# Altium PCB Waffling60-MX.PcbDoc (part 3 of 3)
Units mm, origin at the board's own origin, x right, y up, seen from the top; angles counter-clockwise.
Board outline 324.66 x 94.3 mm, 2 copper layers (Component Side, Bottom Layer), stack 1.571 mm thick; 187 components, 122 nets, 934 pads, 124 vias.
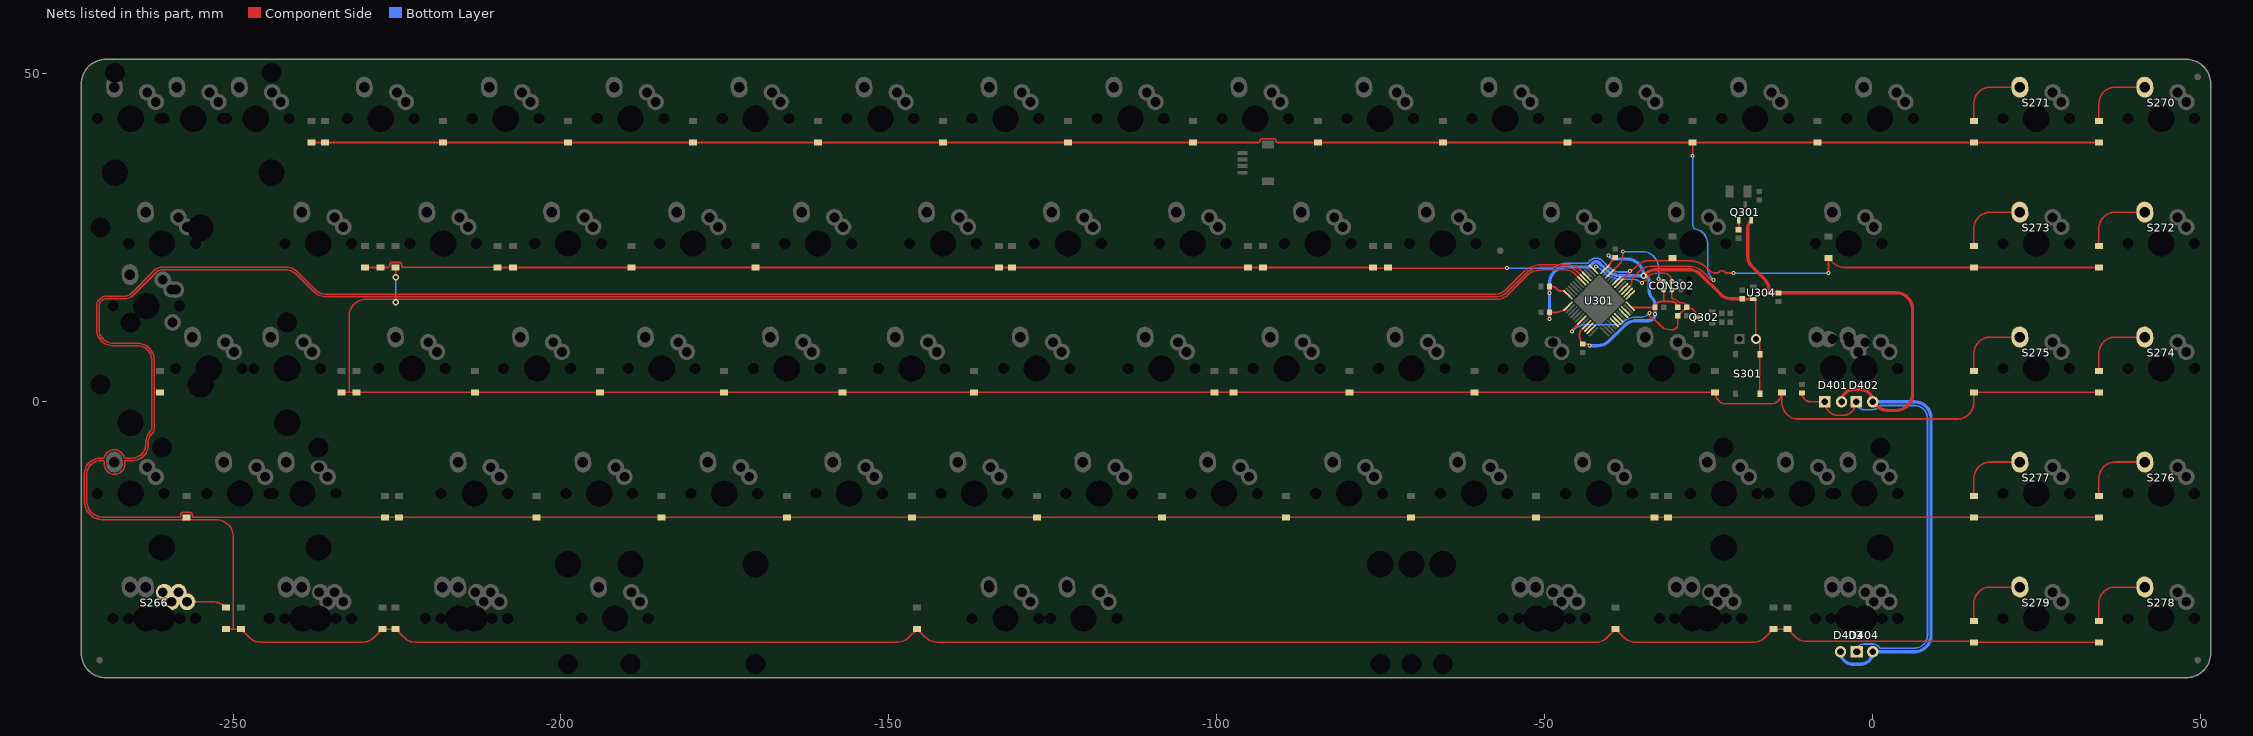
[diagram p3: the nets of this part, all layers, seen from the top]

## Via types
v1: diameter 0.6, hole 0.3, Component Side to Bottom Layer, tented both sides, 85 vias
v2: diameter 0.6, hole 0.3, Component Side to Bottom Layer, tented bottom, 25 vias
v3: diameter 1, hole 0.5, Component Side to Bottom Layer, tented both sides, 14 vias

## Nets (pads, with @x,y where several pads share a name; then routed paths per layer and width w, separated by ;. In a path a pad name is that pad's centre, name@x,y a point inside that pad or via, vN(x,y) a via of type N, cw(c..) or ccw(c..) an arc to the next point about the centre after c; other vN are vias at no path point) (continued)
NetD266_1: D266.1 S266.1 | length 8.2
  Component Side w0.254: S266.1@-257.016,-30.48 -253.062,-30.48 ; D266.1@-251.105,-31.385 D266.1@-251.266,-31.224 ; -253.062,-30.48 cw(c-253.062,-33.02) D266.1@-251.266,-31.224 ; -253.062,-30.48 cw(c-253.062,-33.02) D266.1@-251.266,-31.224
NetD270_1: D270.1 S270.1 | length 15.1
  Component Side w0.254: D270.1@34.455,42.815 34.455,45.43 ; S270.1@41.474,47.97 36.995,47.97 ; 34.455,45.43 cw(c36.995,45.43) 36.995,47.97 ; 34.455,45.43 cw(c36.995,45.43) 36.995,47.97
NetD271_1: D271.1 S271.1 | length 15.1
  Component Side w0.254: D271.1@15.405,42.815 15.405,45.43 ; S271.1@22.424,47.97 17.945,47.97 ; 15.405,45.43 cw(c17.945,45.43) 17.945,47.97 ; 15.405,45.43 cw(c17.945,45.43) 17.945,47.97
NetD272_1: D272.1 S272.1 | length 15.1
  Component Side w0.254: D272.1@34.455,23.765 34.455,26.38 ; S272.1@41.474,28.92 36.995,28.92 ; 34.455,26.38 cw(c36.995,26.38) 36.995,28.92 ; 34.455,26.38 cw(c36.995,26.38) 36.995,28.92
NetD273_1: D273.1 S273.1 | length 15.1
  Component Side w0.254: D273.1@15.405,23.765 15.405,26.38 ; S273.1@22.424,28.92 17.945,28.92 ; 15.405,26.38 cw(c17.945,26.38) 17.945,28.92 ; 15.405,26.38 cw(c17.945,26.38) 17.945,28.92
NetD274_1: D274.1 S274.1 | length 15.1
  Component Side w0.254: D274.1@34.455,4.715 34.455,7.33 ; S274.1@41.474,9.87 36.995,9.87 ; 34.455,7.33 cw(c36.995,7.33) 36.995,9.87 ; 34.455,7.33 cw(c36.995,7.33) 36.995,9.87
NetD275_1: D275.1 S275.1 | length 15.1
  Component Side w0.254: D275.1@15.405,4.715 15.405,7.33 ; S275.1@22.424,9.87 17.945,9.87 ; 15.405,7.33 cw(c17.945,7.33) 17.945,9.87 ; 15.405,7.33 cw(c17.945,7.33) 17.945,9.87
NetD276_1: D276.1 S276.1 | length 15.1
  Component Side w0.254: D276.1@34.455,-14.335 34.455,-11.72 ; S276.1@41.474,-9.18 36.995,-9.18 ; 34.455,-11.72 cw(c36.995,-11.72) 36.995,-9.18 ; 34.455,-11.72 cw(c36.995,-11.72) 36.995,-9.18
NetD277_1: D277.1 S277.1 | length 15.1
  Component Side w0.254: D277.1@15.405,-14.335 15.405,-11.72 ; S277.1@22.424,-9.18 17.945,-9.18 ; 15.405,-11.72 cw(c17.945,-11.72) 17.945,-9.18 ; 15.405,-11.72 cw(c17.945,-11.72) 17.945,-9.18
NetD278_1: D278.1 S278.1 | length 15.1
  Component Side w0.203: D278.1@34.455,-33.385 34.455,-30.77 ; S278.1@41.474,-28.23 36.995,-28.23 ; 34.455,-30.77 cw(c36.995,-30.77) 36.995,-28.23 ; 34.455,-30.77 cw(c36.995,-30.77) 36.995,-28.23
NetD279_1: D279.1 S279.1 | length 15.1
  Component Side w0.203: D279.1@15.405,-33.385 15.405,-30.77 ; S279.1@22.424,-28.23 17.945,-28.23 ; 15.405,-30.77 cw(c17.945,-30.77) 17.945,-28.23 ; 15.405,-30.77 cw(c17.945,-30.77) 17.945,-28.23
NetD401_2: D401.2 D402.2 D403.2 D404.2 R306.2 | length 71.1
  Component Side w0.254: R306.2@-10.795,1.356 ccw(c-9.439,1.356) -9.439,0 D401.2@-7.302,0 ccw(c-5.239,0) -5.239,-2.064 -4.604,-2.064 ccw(c-4.604,0) D402.2@-2.54,0
  Bottom Layer w0.254: D402.2@-2.54,0 ccw(c-1.358,0) -1.358,-1.182 0,-1.182 ccw(c0,0) 0.976,-0.667 cw(c1.185,-0.811) 1.185,-0.557 6.35,-0.557 cw(c6.35,-2.54) 8.333,-2.54 8.333,-35.56 cw(c6.35,-35.56) 6.35,-37.543 1.185,-37.543 cw(c1.185,-37.289) 0.976,-37.433 ccw(c0,-38.1) 0,-36.918 -1.358,-36.918 ccw(c-1.358,-38.1) D404.2@-2.54,-38.1 cw(c-1.983,-38.1) D403.2@-1.983,-37.543
NetQ301_1: Q301.1 R307.1 | length 1.5
  Component Side w0.254: R307.1@-20.473,26.233 ccw(c-20.473,26.299) -20.407,26.299 Q301.1@-20.407,27.685
NRST: C310.1 CON302.3 Q302.3 R303.2 U301.7 | length 40.4
  Component Side w0.203: v1@-45.873,10.724 v1(-45.873,10.732) -45.873,10.926 U301.7@-44.519,12.28 ; v1(-34.054,13.518) -34.054,13.458 -34.054,13.082 ccw(c-33.851,13.079) -33.935,12.894 ; CON302.3@-30.633,17.074 -30.633,15.918 ccw(c-30.43,15.919) -30.456,15.718 cw(c-30.618,14.422) -30.041,15.593 cw(c-30.618,14.422) -29.534,15.151 ccw(c-29.367,15.265) -29.49,15.104 -29.109,15.104 ; Q302.3@-26.88,12.883 Q302.3@-26.88,12.955 ; -33.935,12.894 cw(c-35.205,10.071) -33.015,12.259 ; -33.935,12.894 cw(c-35.205,10.071) -33.015,12.26 ; -33.015,12.26 -32.402,11.646 ccw(c-30.877,13.172) -31.401,11.079 ; -31.401,11.079 ccw(c-30.877,13.172) -30.877,11.015 ; -31.401,11.079 ccw(c-30.877,13.172) -30.877,11.015 ; -30.877,11.015 -30.506,11.015 ; -30.506,11.015 ccw(c-30.506,11.777) -29.744,11.777 ; -30.506,11.015 ccw(c-30.506,11.777) -29.744,11.777 ; -29.744,11.777 R303.2@-29.744,13.122 -29.42,13.42 -28.67,14.124 C310.1@-28.347,14.422 ; -29.109,15.104 cw(c-29.109,14.026) C310.1@-28.347,14.788 ; -29.109,15.104 cw(c-29.109,14.026) C310.1@-28.347,14.788 ; C310.1@-28.347,14.422 cw(c-28.347,12.955) Q302.3@-26.88,12.955 ; C310.1@-28.347,14.422 cw(c-28.347,12.955) Q302.3@-26.88,12.955 ; C310.1@-28.347,14.422 C310.1@-28.347,14.788
  Bottom Layer w0.203: v1(-45.873,10.732) -45.598,11.007 ; -38.229,12.007 -38.363,11.873 ; -38.229,12.008 cw(c-36.058,9.835) -37.589,12.498 cw(c-36.058,9.835) -37.296,12.646 cw(c-36.058,9.835) -36.058,12.907 -35.332,12.907 ; v1(-34.054,13.518) v1@-34.194,13.378 ; -45.598,11.007 cw(c-43.802,9.211) -43.802,11.751 ; -45.598,11.007 cw(c-43.802,9.211) -43.802,11.751 ; -43.802,11.751 -38.997,11.751 ; -38.997,11.751 ccw(c-38.997,13.882) -38.453,11.822 ; -38.997,11.751 ccw(c-38.997,13.882) -38.453,11.822 ; -38.453,11.822 ccw(c-38.506,12.018) -38.363,11.873 ; -38.453,11.822 ccw(c-38.506,12.018) -38.363,11.873 ; -35.332,12.907 ccw(c-35.332,14.516) v1@-34.194,13.378 ; -35.332,12.907 ccw(c-35.332,14.516) v1@-34.194,13.378
PA0: U301.10
PA1: U301.11
PA7: U301.17
PA9: D215.2 D216.2 D217.2 D218.2 D219.2 D220.2 D221.2 D222.2 D223.2 D224.2 D225.2 D226.2 D227.2 D228.2 D272.2 D273.2 U301.30 | length 282.9
  Component Side w0.254: D227.2@-229.896,20.495 D228.2@-227.483,20.495 -226.368,20.495 ; v1(-55.779,20.376) -75.743,20.376 D218.2@-76.226,20.495 D219.2@-92.99,20.495 D220.2@-95.276,20.495 D221.2@-131.217,20.495 D222.2@-133.249,20.495 D223.2@-170.333,20.495 D224.2@-189.256,20.495 D225.2@-207.29,20.495 D226.2@-209.703,20.495 -210.186,20.503 -224.026,20.503 ; U301.30@-38.544,18.255 v1@-37.054,19.746 ; v1@-36.921,20.029 -36.677,20.029 -35.937,20.769 ; v1(-6.757,19.614) D215.2@-6.757,21.916 -6.08,21.239 ccw(c-4.284,23.035) -4.284,20.495 D273.2@15.405,20.495 D272.2@34.455,20.495 ; -226.368,20.495 ccw(c-226.368,20.749) -226.114,20.749 ; -226.368,20.495 ccw(c-226.368,20.749) -226.114,20.749 ; -226.114,20.749 -226.114,20.95 cw(c-225.807,20.95) -225.807,21.257 -224.587,21.257 ; -224.587,21.257 cw(c-224.587,20.95) -224.28,20.95 ; -224.587,21.257 cw(c-224.587,20.95) -224.28,20.95 ; -224.28,20.757 ccw(c-224.026,20.757) -224.026,20.503 ; -224.28,20.757 ccw(c-224.026,20.757) -224.026,20.503 ; -224.28,20.757 -224.28,20.95 ; -35.937,20.769 cw(c-34.141,18.973) -34.141,21.513 ; -35.937,20.769 cw(c-34.141,18.973) -34.141,21.513 ; -34.141,21.513 -27.959,21.513 ; -27.959,21.513 cw(c-27.959,19.112) -27.746,21.504 ; -27.959,21.513 cw(c-27.959,19.112) -27.746,21.504 ; -27.746,21.504 ccw(c-27.725,21.757) -27.745,21.503 cw(c-28.019,17.599) -25.454,20.556 ; -25.454,20.556 cw(c-28.019,17.599) -25.248,20.364 ; -25.454,20.556 ccw(c-28.019,17.599) -26.443,21.182 cw(c-28.019,17.599) -25.454,20.556 ; -25.454,20.556 cw(c-28.019,17.599) -25.248,20.364 ; -25.248,20.364 -24.907,20.022 ccw(c-23.994,20.934) -23.994,19.644 -23.747,19.644 ; -23.747,19.644 cw(c-23.745,19.233) -23.745,19.644 ; -23.747,19.644 cw(c-23.745,19.233) -23.745,19.644 ; -23.745,19.644 -23.702,19.644 ccw(c-23.703,19.898) -23.5,19.745 cw(c-23.013,19.383) -22.526,19.745 ccw(c-22.323,19.898) -22.324,19.644 v1@-21.354,19.644 ; v1@-21.354,19.644 cw(c-21.354,19.39) v1(-21.235,19.614) ccw(c-21.354,19.39) v1@-21.354,19.644
  Bottom Layer w0.254: v1(-55.779,20.376) -48.863,20.376 ; -40.708,20.969 -41.061,21.322 ccw(c-41.833,20.554) -41.063,21.323 ccw(c-41.833,20.554) -41.064,21.325 ccw(c-41.833,20.554) -41.154,21.405 cw(c-40.994,21.602) -41.19,21.441 ccw(c-42.19,20.63) -41.278,21.539 ccw(c-42.19,20.63) -41.281,21.541 ccw(c-42.19,20.63) -43.313,21.259 cw(c-43.534,21.384) -43.533,21.13 -46.747,21.13 ; -40.708,20.968 -40.274,20.534 ; -37.254,19.79 -38.478,19.79 ; v1(-21.235,19.614) v1(-6.757,19.614) ; -48.863,20.376 ccw(c-48.864,20.63) -48.705,20.432 ; -48.863,20.376 ccw(c-48.864,20.63) -48.705,20.432 ; -48.705,20.432 cw(c-46.747,18.033) -46.747,21.13 ; -48.705,20.432 cw(c-46.747,18.033) -46.747,21.13 ; -38.478,19.79 cw(c-38.478,22.33) -40.273,20.533 ccw(c-38.478,22.33) -38.478,19.79
  other v1: -36.987,19.963
PA10: U301.31
PB0: U301.18
PB1: U301.19
PB4: D241.2 D256.2 D257.2 D258.2 D260.2 D262.2 D264.2 D265.2 D266.2 D278.2 D279.2 U301.40 | length 643.3
  Component Side w0.203: -260.654,20.544 ccw(c-260.719,18.61) -262.224,19.826 cw(c-262.381,19.954) -262.237,19.811 -265.541,16.507 cw(c-265.684,16.652) -265.56,16.49 ccw(c-265.329,16.185) -265.599,16.457 ; -260.59,20.545 -241.971,20.545 ; D266.2@-251.105,-34.655 -249.962,-34.655 ; -238.753,18.379 -240.175,19.801 ; -238.752,18.378 -238.307,17.933 -237.515,17.141 ccw(c-235.719,18.937) -237.501,17.127 ccw(c-235.719,18.937) -235.719,16.397 -57.694,16.397 ccw(c-57.694,18.937) -55.898,17.141 -53.287,19.752 cw(c-50.572,17.047) -53.277,19.762 cw(c-50.572,17.047) -52.253,20.491 ccw(c-52.343,20.673) -52.244,20.496 cw(c-50.796,17.956) -50.796,20.88 -46.429,20.88 cw(c-46.429,18.34) -44.633,20.136 U301.40@-43.812,19.315 ; -42.273,-36.655 -94.387,-36.655 -94.387,-36.647 -142.651,-36.647 ; -42.272,-36.655 ccw(c-42.273,-34.115) -41.621,-36.57 ccw(c-42.273,-34.115) -41.221,-36.427 ccw(c-42.273,-34.115) -40.477,-35.911 D260.2@-39.221,-34.655 -37.978,-35.898 ; D278.2@34.455,-36.655 D279.2@15.405,-36.655 ccw(c15.061,-36.999) 15.061,-36.512 -10.07,-36.512 cw(c-10.07,-33.972) -11.857,-35.777 cw(c-10.07,-33.972) -11.866,-35.769 D257.2@-12.98,-34.655 D258.2@-15.139,-34.655 -16.395,-35.911 ; -272.695,-11.12 cw(c-270.155,-11.12) -270.155,-8.58 ; -272.695,-11.12 cw(c-270.155,-11.12) -270.155,-8.58 ; -272.695,-11.12 -272.695,-15.065 ccw(c-269.772,-15.065) -269.772,-17.988 -252.502,-17.988 ; -270.809,14.502 cw(c-269.185,14.502) -269.185,16.126 ; -270.809,14.502 cw(c-269.185,14.502) -269.185,16.126 ; -270.809,14.502 -270.809,11.086 ccw(c-268.269,11.086) -268.269,8.546 -264.569,8.546 ; -270.155,-8.58 -269.854,-8.58 ccw(c-269.854,-8.044) -269.775,-8.574 ccw(c-269.806,-8.373) -269.611,-8.429 cw(c-268.118,-8.851) -269.317,-7.867 cw(c-268.118,-8.851) -267.365,-7.494 cw(c-268.118,-8.851) -266.625,-8.426 ; -269.185,16.126 -266.345,16.127 ; -266.625,-8.426 ccw(c-266.43,-8.37) -266.431,-8.573 ; -266.625,-8.426 ccw(c-266.43,-8.37) -266.431,-8.573 ; -266.431,-8.573 -265.383,-8.573 ; -266.345,16.127 ccw(c-266.397,17.253) -265.599,16.457 ; -266.345,16.127 ccw(c-266.397,17.253) -265.599,16.457 ; -265.383,-8.573 ccw(c-265.383,-6.487) -263.911,-7.965 ; -265.383,-8.573 ccw(c-265.383,-6.487) -263.911,-7.965 ; -264.569,8.546 cw(c-264.569,6.389) -262.413,6.389 ; -264.569,8.546 cw(c-264.569,6.389) -262.413,6.389 ; -263.911,-7.965 ccw(c-265.383,-6.487) -263.297,-6.487 -263.297,-6.118 cw(c-261.187,-6.118) -262.881,-4.861 cw(c-261.187,-6.118) -262.679,-4.626 ; -262.679,-4.626 ccw(c-263.328,-3.977) -262.41,-3.977 ; -262.679,-4.626 ccw(c-263.328,-3.977) -262.41,-3.977 ; -262.413,6.389 -262.413,4.26 ccw(c-261.748,4.26) -262.411,4.211 ccw(c-261.748,4.26) -262.411,4.209 cw(c-262.613,4.193) -262.41,4.194 -262.41,3.739 -262.41,-3.977 ; -252.502,-17.988 cw(c-252.502,-20.528) -249.962,-20.528 ; -252.502,-17.988 cw(c-252.502,-20.528) -249.962,-20.528 ; -249.962,-34.655 -249.962,-20.528 ; -249.962,-34.655 D241.2@-248.819,-34.655 -247.563,-35.911 ; -247.563,-35.911 ccw(c-245.767,-34.115) -245.767,-36.655 ; -247.563,-35.911 ccw(c-245.767,-34.115) -245.767,-36.655 ; -245.767,-36.655 -230.281,-36.655 ; -241.971,20.545 cw(c-241.971,18.005) -240.175,19.801 ; -241.971,20.545 cw(c-241.971,18.005) -240.175,19.801 ; -230.281,-36.655 ccw(c-230.281,-34.115) -228.485,-35.911 ; -230.281,-36.655 ccw(c-230.281,-34.115) -228.485,-35.911 ; -228.485,-35.911 D264.2@-227.229,-34.655 D265.2@-225.197,-34.655 -223.941,-35.911 ; -223.941,-35.911 ccw(c-222.145,-34.115) -222.145,-36.655 ; -223.941,-35.911 ccw(c-222.145,-34.115) -222.145,-36.655 ; -222.145,-36.655 -157.688,-36.655 -157.68,-36.647 -148.739,-36.647 ; -148.739,-36.647 ccw(c-148.739,-34.107) -146.943,-35.903 ; -148.739,-36.647 ccw(c-148.739,-34.107) -146.943,-35.903 ; -146.943,-35.903 D262.2@-145.695,-34.655 -144.447,-35.903 ; -144.447,-35.903 ccw(c-142.651,-34.107) -142.651,-36.647 ; -144.447,-35.903 ccw(c-142.651,-34.107) -142.651,-36.647 ; -37.978,-35.898 ccw(c-36.182,-34.102) -36.182,-36.642 ; -37.978,-35.898 ccw(c-36.182,-34.102) -36.182,-36.642 ; -36.182,-36.642 -24.783,-36.642 -24.783,-36.655 -18.191,-36.655 ; -18.191,-36.655 ccw(c-18.191,-34.115) -16.395,-35.911 ; -18.191,-36.655 ccw(c-18.191,-34.115) -16.395,-35.911
PB5: D242.2 D243.2 D244.2 D245.2 D246.2 D247.2 D248.2 D249.2 D250.2 D251.2 D252.2 D253.2 D254.2 D255.2 D276.2 D277.2 U301.41 | length 617.8
  Component Side w0.203: D242.2@-261.648,1.606 -261.646,1.606 D242.2@-261.138,1.445 -262.027,1.445 ; -239.023,18.107 -240.333,19.418 ; D248.2@-108.357,-17.605 D249.2@-127.407,-17.605 D250.2@-146.457,-17.605 D251.2@-165.507,-17.605 D252.2@-184.684,-17.605 D253.2@-203.734,-17.605 D254.2@-224.689,-17.605 D255.2@-226.848,-17.605 -255.979,-17.605 ; U301.41@-44.166,18.962 -44.957,19.752 ; -272.312,-15.065 ccw(c-269.772,-15.065) -269.772,-17.605 ; -272.312,-15.065 ccw(c-269.772,-15.065) -269.772,-17.605 ; -272.312,-15.065 -272.312,-11.12 ; -272.312,-11.12 cw(c-270.155,-11.12) -270.155,-8.963 ; -272.312,-11.12 cw(c-270.155,-11.12) -270.155,-8.963 ; -270.426,11.086 ccw(c-268.269,11.086) -269.904,9.68 ; -270.426,11.086 ccw(c-268.269,11.086) -269.904,9.68 ; -270.426,11.086 -270.426,14.502 ; -270.426,14.502 cw(c-269.185,14.502) -270.417,14.647 ; -270.426,14.502 cw(c-269.185,14.502) -270.417,14.647 ; -270.417,14.647 cw(c-269.185,14.502) -269.185,15.743 -266.397,15.743 ; -270.155,-8.963 -269.861,-8.963 cw(c-269.861,-9.475) -269.844,-8.963 cw(c-269.851,-9.167) -269.649,-9.15 -269.606,-9.643 ccw(c-268.06,-9.509) -269.348,-10.373 ccw(c-268.06,-9.509) -266.58,-9.976 ccw(c-268.06,-9.509) -266.514,-9.372 -266.531,-9.187 cw(c-266.328,-9.17) -266.369,-8.971 ; -269.904,9.68 ccw(c-269.751,9.813) -269.895,9.67 ; -269.904,9.68 ccw(c-269.751,9.813) -269.895,9.67 ; -269.895,9.67 -269.684,9.459 ; -269.772,-17.605 -258.169,-17.605 ; -269.684,9.459 ccw(c-269.542,9.604) -269.675,9.451 ; -269.684,9.459 ccw(c-269.542,9.604) -269.675,9.451 ; -269.675,9.451 ccw(c-268.269,11.086) -268.269,8.929 ; -269.675,9.451 ccw(c-268.269,11.086) -268.269,8.929 ; -268.269,8.929 -264.569,8.929 ; -266.397,15.743 ccw(c-266.397,17.253) -265.329,16.185 ; -266.397,15.743 ccw(c-266.397,17.253) -265.334,16.18 ccw(c-266.397,17.253) -265.329,16.185 ; -266.369,-8.971 cw(c-266.218,-9.718) -266.218,-8.956 ; -266.369,-8.971 cw(c-266.218,-9.718) -266.218,-8.956 ; -266.218,-8.956 -265.383,-8.956 ccw(c-265.383,-6.487) -263.968,-8.511 ccw(c-265.383,-6.487) -262.914,-6.487 -262.914,-6.118 ; -265.329,16.185 -265.321,16.185 -261.943,19.563 cw(c-260.719,18.61) -260.655,20.16 ccw(c-260.647,20.363) -260.638,20.16 cw(c-260.59,19.233) -260.59,20.162 -242.13,20.162 ; -264.569,8.929 cw(c-264.569,6.389) -262.029,6.389 ; -264.569,8.929 cw(c-264.569,6.389) -262.029,6.389 ; -262.914,-6.118 cw(c-261.187,-6.118) -262.408,-4.897 ; -262.914,-6.118 cw(c-261.187,-6.118) -262.408,-4.897 ; -262.408,-4.897 ccw(c-263.328,-3.977) -262.027,-3.977 ; -262.408,-4.897 ccw(c-263.328,-3.977) -262.027,-3.977 ; -262.029,6.389 -262.029,4.26 ccw(c-261.748,4.26) -262.029,4.239 cw(c-262.613,4.193) -262.028,4.229 -262.027,4.217 cw(c-262.23,4.205) -262.027,4.205 -262.027,1.445 ; -262.027,-3.977 -262.027,1.445 ; -258.169,-17.605 ccw(c-258.169,-17.402) -257.965,-17.402 ; -258.169,-17.605 ccw(c-258.169,-17.402) -257.965,-17.402 ; -257.965,-17.402 -257.965,-17.15 cw(c-257.684,-17.15) -257.684,-16.868 -256.464,-16.868 ; -256.464,-16.868 cw(c-256.464,-17.15) -256.182,-17.15 ; -256.464,-16.868 cw(c-256.464,-17.15) -256.182,-17.15 ; -256.182,-17.402 ccw(c-255.979,-17.402) -255.979,-17.605 ; -256.182,-17.402 ccw(c-255.979,-17.402) -255.979,-17.605 ; -256.182,-17.402 -256.182,-17.15 ; -242.13,20.162 cw(c-242.13,17.622) -240.333,19.418 ; -242.13,20.162 cw(c-242.13,17.622) -240.333,19.418 ; -240.333,19.418 -238.261,17.345 -237.787,16.871 ccw(c-235.719,18.937) -237.784,16.868 ccw(c-235.719,18.937) -235.719,16.014 -57.535,16.014 ; -57.535,16.014 ccw(c-57.535,18.554) -55.739,16.758 ; -57.535,16.014 ccw(c-57.535,18.554) -55.739,16.758 ; -55.739,16.758 -53.015,19.482 cw(c-50.572,17.047) -53.007,19.49 cw(c-50.572,17.047) -52.074,20.152 ccw(c-52.164,20.334) -52.064,20.158 ; -52.064,20.158 cw(c-50.796,17.956) -50.796,20.496 ; -52.064,20.158 cw(c-50.796,17.956) -50.796,20.496 ; -50.796,20.496 -46.753,20.496 ; -46.753,20.496 cw(c-46.753,17.956) -44.957,19.752 ; -46.753,20.496 cw(c-46.753,17.956) -44.957,19.752
  Component Side w0.254: D248.2@-108.357,-17.605 D247.2@-89.434,-17.605 D246.2@-70.384,-17.605 D245.2@-51.334,-17.605 D243.2@-33.3,-17.605 D244.2@-31.207,-17.605 D276.2@34.455,-17.605
PB6: D228_2.2 D229.2 D230.2 D231.2 D232.2 D233.2 D234.2 D235.2 D236.2 D237.2 D238.2 D239.2 D240.2 D259.2 D274.2 D275.2 U301.42 | length 495.8
  Component Side w0.203: D228_2.2@-233.452,1.445 -232.309,1.445 ; v3(-225.197,18.979) D259.2@-225.197,20.495 ; U301.42@-44.519,18.608 -45.445,19.534 ; -232.309,1.445 D240.2@-231.166,1.445 D239.2@-213.132,1.445 D238.2@-194.082,1.445 D237.2@-175.159,1.445 D236.2@-157.059,1.445 D235.2@-137.059,1.445 D232.2@-79.782,1.445 D231.2@-60.732,1.445 D230.2@-24.029,1.445 ; -232.309,1.445 -232.309,13.091 cw(c-229.769,13.091) -229.769,15.631 -221.006,15.631 -186.591,15.631 ; -186.591,15.631 cw(c-186.591,15.427) -186.588,15.631 ; -186.591,15.631 cw(c-186.591,15.427) -186.588,15.631 ; -186.588,15.631 -178.835,15.631 -178.08,15.631 -59.843,15.631 -57.377,15.631 ; -57.377,15.631 ccw(c-57.377,18.171) -55.581,16.375 ; -57.377,15.631 ccw(c-57.377,18.171) -55.581,16.375 ; -55.581,16.375 -52.744,19.212 ; -52.744,19.212 cw(c-50.572,17.047) -52.736,19.219 ; -52.743,19.212 cw(c-50.572,17.047) -52.736,19.219 ; -52.736,19.219 cw(c-50.572,17.047) -50.572,20.113 ; -52.736,19.219 cw(c-50.572,17.047) -50.572,20.113 ; -50.572,20.113 -46.844,20.113 ; -46.844,20.113 cw(c-46.844,18.135) -45.445,19.534 ; -46.844,20.113 cw(c-46.844,18.135) -45.445,19.534 ; D230.2@-24.029,1.445 ccw(c-22.259,1.445) -22.259,-0.325 ; D230.2@-24.029,1.445 ccw(c-22.259,1.445) -22.259,-0.325 ; -22.259,-0.325 -15.639,-0.325 ; -15.639,-0.325 ccw(c-15.639,1.445) D229.2@-13.869,1.445 cw(c-15.639,1.445) -15.639,-0.325
  Component Side w0.254: D229.2@-13.869,1.445 -13.869,-0.08 ccw(c-11.329,-0.08) -11.329,-2.619 12.925,-2.619 ; 12.865,-2.62 ccw(c12.865,-0.08) 12.925,-2.619 ; D274.2@34.455,1.445 D275.2@15.405,1.445 15.405,-0.08 cw(c12.865,-0.08) 12.925,-2.619
  Bottom Layer w0.203: v3(-225.197,15.169) v3(-225.197,18.979)
PB10: U301.21
PB11: U301.22
PB12: U301.25
PB13: U301.26
PB14: D201.2 D202.2 D203.2 D204.2 D205.2 D206.2 D207.2 D208.2 D209.2 D210.2 D211.2 D212.2 D213.2 D214.2 D270.2 D271.2 U301.27 | length 310.5
  Component Side w0.203: U301.27@-37.008,17.67 ccw(c-37.682,18.344) -36.729,18.344 cw(c-35.663,18.344) -36.417,19.098 -35.588,19.927 cw(c-33.792,18.13) -33.792,20.67 -28.019,20.67 cw(c-28.019,17.599) -25.847,19.771 -25.675,19.599 -25.503,19.427 ; -25.5,19.424 -24.951,18.875 ccw(c-24.283,19.542) v1(-24.283,18.598)
  Component Side w0.254: D214.2@-238.024,39.545 D213.2@-235.992,39.545 D212.2@-217.958,39.545 D211.2@-198.908,39.545 D210.2@-179.858,39.545 D209.2@-160.808,39.545 D208.2@-141.758,39.545 D207.2@-122.708,39.545 D206.2@-103.658,39.545 -93.683,39.545 ccw(c-93.683,39.799) -93.429,39.799 -93.429,39.825 cw(c-93.122,39.825) -93.122,40.132 -91.322,40.132 cw(c-91.322,39.825) -91.015,39.825 -91.015,39.799 ccw(c-90.761,39.799) -90.761,39.545 D205.2@-84.608,39.545 D204.2@-65.558,39.545 D203.2@-46.508,39.545 D202.2@-27.458,39.545 ; v1(-27.458,37.521) D202.2@-27.458,39.545 ; D270.2@34.455,39.545 D271.2@15.405,39.545 D201.2@-8.408,39.545 D202.2@-27.458,39.545
  Bottom Layer w0.203: v1@-27.44,37.503 v1(-27.458,37.521) -27.458,27.291 ccw(c-25.572,27.291) -27.285,26.502 ccw(c-27.101,26.588) -27.132,26.387 cw(c-27.464,24.13) -25.731,25.615 ; -25.572,25.405 ccw(c-27.464,24.13) -25.731,25.615 ; -25.183,24.069 -25.183,20.55 ccw(c-22.643,20.55) v1@-24.439,18.754 ; -25.183,24.073 ccw(c-27.464,24.13) -25.731,25.615
PB15: U301.28
SWCLK: CON302.4 U301.37 | length 17.2
  Component Side w0.203: U301.37@-42.752,20.376 -42.698,20.323 -42.635,20.323 v1@-42.404,20.554 ; v1(-35.216,18.09) -34.996,18.31 ccw(c-35.411,18.725) -34.933,18.384 cw(c-34.768,18.265) -34.806,18.465 ccw(c-34.951,19.233) -34.399,18.679 ccw(c-34.951,19.233) -34.175,19.14 cw(c-33.973,19.115) -34.084,19.285 cw(c-32.993,17.599) -32.993,19.607 -31.896,19.607 cw(c-31.896,18.344) CON302.4@-30.633,18.344
  Bottom Layer w0.203: v1(-42.19,20.63) v1@-41.999,20.63 ; -41.481,20.202 -41.579,20.299 -41.823,20.544 ccw(c-41.967,20.401) -41.834,20.554 ccw(c-41.967,20.401) -41.843,20.561 ; -41.48,20.201 ccw(c-40.747,20.927) -41.474,20.195 -41.166,19.887 ; v1(-35.216,18.09) ccw(c-36.692,16.614) -36.692,18.701 -38.478,18.701 ; v1@-41.999,20.63 cw(c-42,20.427) -41.872,20.584 ; v1@-41.999,20.63 cw(c-42,20.427) -41.872,20.584 ; -41.872,20.584 ccw(c-41.215,21.38) -41.843,20.561 ; -41.872,20.584 ccw(c-41.215,21.38) -41.843,20.561 ; -41.166,19.887 cw(c-41.435,19.614) -41.165,19.886 ; -41.166,19.887 cw(c-41.435,19.614) -41.165,19.886 ; -41.165,19.886 cw(c-41.435,19.614) -41.163,19.884 cw(c-41.435,19.614) -41.163,19.883 -41.043,19.764 ; -41.043,19.764 ccw(c-38.478,22.33) -41.041,19.762 ; -41.043,19.764 ccw(c-38.478,22.33) -41.041,19.762 ; -41.041,19.762 ccw(c-38.478,22.33) -38.478,18.701 ; -41.041,19.762 ccw(c-38.478,22.33) -38.478,18.701
SWDIO: CON302.2 U301.34 | length 18.8
  Component Side w0.203: U301.34@-39.885,19.7 -39.155,20.429 -38.64,20.944 ; v1(-32.665,18.725) -32.589,18.649 -32.367,18.649 -32.062,18.344 CON302.2@-31.903,18.344 ; -38.64,20.944 ccw(c-39.883,22.186) -38.126,22.186 ; -38.64,20.944 ccw(c-39.883,22.186) -38.126,22.186 ; -38.126,22.186 v1@-38.126,22.689 ; v1@-38.126,22.689 cw(c-37.923,22.689) -38.116,22.752 ccw(c-37.923,22.689) v1@-38.126,22.689 ; U301.34@-39.959,19.669 ccw(c-39.959,19.773) -39.885,19.699 cw(c-39.959,19.773) U301.34@-39.959,19.669
  Bottom Layer w0.203: v1(-38.118,22.916) -35.205,22.916 ; v1(-32.665,18.725) -32.665,20.376 ; -35.205,22.916 cw(c-35.205,20.376) -32.665,20.376 ; -35.205,22.916 cw(c-35.205,20.376) -32.665,20.376
VCC: C307.2 D401.1 D402.1 D403.1 D404.1 Q301.2 U304.3 | length 132.2
  Component Side w0.5: Q301.2@-18.507,27.685 ccw(c-17.133,26.311) -19.076,26.311 -19.076,22.317 ; D401.1@-4.763,0 cw(c-2.857,0) -2.857,1.905 -1.905,1.905 cw(c-1.905,0) D402.1@0,0 0.561,-0.561 ccw(c2.357,1.235) 2.357,-1.305 3.53,-1.305 ccw(c3.53,1.235) 6.07,1.235 6.07,14.096 ; -19.076,22.317 ccw(c-16.536,22.317) -18.332,20.521 ; -19.076,22.317 ccw(c-16.536,22.317) -18.332,20.521 ; -18.332,20.521 -16.546,18.735 ; -16.546,18.735 cw(c-18.342,16.939) -15.802,16.939 ; -16.546,18.735 cw(c-18.342,16.939) -15.802,16.939 ; -15.802,16.939 U304.3@-15.802,16.636 3.53,16.636 ; 3.53,16.636 cw(c3.53,14.096) 6.07,14.096 ; 3.53,16.636 cw(c3.53,14.096) 6.07,14.096
  Bottom Layer w0.5: D403.1@-4.921,-38.1 ccw(c-3.016,-38.1) -3.016,-40.005 -1.905,-40.005 ccw(c-1.905,-38.1) D404.1@0,-38.1 6.35,-38.1 ccw(c6.35,-35.56) 8.89,-35.56 8.89,-2.54 ccw(c6.35,-2.54) 6.35,0 D402.1@0,0
VCC3V3: C301.2 C302.2 C303.2 C304.2 C305.2 C308.2 CON302.1 CON303.2 R303.1 S301.1 U301.1 U301.9 U301.24 U301.36 U301.48 U304.2 | length 134.7
  Component Side w0.203: CON302.1@-31.903,17.074 -31.903,15.423 ; S301.1@-17.201,1.247 S301.1@-17.201,7.247 -17.201,8.976 ; -31.903,15.423 cw(c-32.03,15.423) -32.03,15.296 ccw(c-32.03,15.423) -32.028,15.296 ccw(c-32.03,15.423) -31.903,15.423 ; CON303.2@-17.806,9.581 cw(c-17.806,8.976) -17.201,8.976 ; CON303.2@-17.806,9.581 cw(c-17.806,8.976) -17.201,8.976 ; CON303.2@-17.806,9.581 -17.806,15.29 ; -17.806,15.29 ccw(c-18.202,15.29) U304.2@-18.202,15.686 cw(c-18.202,15.29) -17.806,15.29
  Component Side w0.3: v1(-49.302,12.637) -49.302,13.63 C305.2@-49.287,13.645 -48.449,13.645 ; v1(-49.287,16.589) C304.2@-49.287,17.582 C304.2@-48.911,17.582 ; C304.2@-49.285,17.582 C304.2@-49.037,17.574 ; -48.067,17.107 -48.281,17.321 ; -48.066,17.107 ccw(c-47.551,17.623) -47.551,16.894 -47.047,16.894 U301.48@-46.641,16.487 ; U301.1@-46.641,14.401 U301.1@-46.653,14.389 ; U301.9@-43.812,11.573 -44.419,10.966 ; v1(-43.206,8.565) -43.251,8.565 -43.52,8.834 C302.2@-44.222,8.834 ; U301.36@-40.666,20.376 -40.102,20.94 ccw(c-40.315,21.151) -40.019,21.105 cw(c-39.396,21.011) -39.522,21.628 ccw(c-39.584,21.922) -39.404,21.682 -39.404,21.762 C303.2@-39.269,22.012 ; v1(-40.285,22.281) -39.918,22.281 ; U301.24@-36.777,14.401 -36.771,14.407 C301.2@-33.188,14.407 ; v1(-33.188,13.414) C301.2@-33.188,14.407 ; C304.2@-48.911,17.582 cw(c-48.911,16.691) -48.281,17.321 ; C304.2@-48.911,17.582 cw(c-48.911,16.691) -48.281,17.321 ; -48.449,13.645 ccw(c-48.449,16.185) U301.1@-46.653,14.389 ; -48.449,13.645 ccw(c-48.449,16.185) U301.1@-46.653,14.389 ; -44.73,10.06 ccw(c-42.995,10.06) C302.2@-44.222,8.834 ; -44.73,10.06 ccw(c-42.995,10.06) C302.2@-44.222,8.834 ; -44.73,10.06 -44.73,10.216 ; -44.73,10.216 cw(c-43.67,10.216) -44.419,10.966 ; -44.73,10.216 cw(c-43.67,10.216) -44.419,10.966 ; -39.918,22.281 cw(c-39.918,21.363) C303.2@-39.269,22.012 ; -39.918,22.281 cw(c-39.918,21.363) C303.2@-39.269,22.012 ; C301.2@-33.188,14.407 cw(c-32.299,14.407) -32.299,15.296 ; C301.2@-33.188,14.407 cw(c-32.299,14.407) -32.299,15.296 ; -32.299,15.296 -32.03,15.296 -30.618,15.296 ; -30.618,15.296 cw(c-30.618,14.422) R303.1@-29.744,14.422 ccw(c-30.618,14.422) -30.618,15.296
  Component Side w0.5: v3(-34.951,19.233) v3@-34.789,19.395 ; C308.2@-19.908,15.686 U304.2@-18.202,15.686 ; C308.2@-19.908,15.704 -21.48,15.704 ; v3@-34.789,19.395 cw(c-32.993,17.599) -32.993,20.139 ; v3@-34.789,19.395 cw(c-32.993,17.599) -32.993,20.139 ; -32.993,20.139 -28.019,20.139 ; -28.019,20.139 cw(c-28.019,17.599) -26.223,19.395 ; -28.019,20.139 cw(c-28.019,17.599) -26.223,19.395 ; -26.223,19.395 -23.276,16.448 ; -23.276,16.448 ccw(c-21.48,18.244) -21.48,15.704 ; -23.276,16.448 ccw(c-21.48,18.244) -21.48,15.704
  Bottom Layer w0.5: v1(-49.302,12.637) -49.294,12.645 -49.294,16.582 v1(-49.287,16.589) -49.287,18.033 ; v1(-43.206,8.565) -41.972,8.565 ccw(c-41.972,11.105) -40.176,9.309 -37.854,11.631 ; -41.458,20.93 ccw(c-41.833,20.554) -41.516,20.98 cw(c-41.215,21.38) -41.61,21.074 ccw(c-42.19,20.63) -41.673,21.145 ccw(c-42.19,20.63) -41.674,21.147 ccw(c-42.19,20.63) -42.871,20.892 ; -41.457,20.929 -41.102,20.575 ccw(c-40.747,20.927) -41.099,20.572 ; -41.099,20.572 -40.667,20.14 ccw(c-38.478,22.33) -40.665,20.138 ccw(c-38.478,22.33) -38.478,19.233 v3(-34.951,19.233) ; v1(-40.285,22.281) ccw(c-39.058,23.507) -39.058,21.773 -37.491,21.773 ; -49.287,18.033 cw(c-46.747,18.033) -49.138,18.888 ; -49.287,18.033 cw(c-46.747,18.033) -49.138,18.888 ; -49.138,18.888 cw(c-46.747,18.033) -47.602,20.424 ; -47.602,20.424 cw(c-46.747,18.033) -46.747,20.573 ; -47.602,20.424 cw(c-46.747,18.033) -46.747,20.573 ; -46.747,20.573 -43.336,20.573 ; -43.336,20.573 ccw(c-43.337,21.073) -42.871,20.892 ; -43.336,20.573 ccw(c-43.337,21.073) -42.871,20.892 ; -37.854,11.631 cw(c-36.058,9.835) -36.058,12.375 ; -37.854,11.631 cw(c-36.058,9.835) -36.058,12.375 ; -37.491,21.773 cw(c-37.491,19.233) -36.153,21.392 ; -37.491,21.773 cw(c-37.491,19.233) -36.153,21.392 ; -36.153,21.392 cw(c-37.491,19.233) -35.046,19.924 ; -36.058,12.375 -34.227,12.375 ccw(c-34.227,13.414) -33.873,12.437 ccw(c-34.227,13.414) -33.25,13.06 ; -35.046,19.924 cw(c-37.491,19.233) v3(-34.951,19.233) ; -35.046,19.924 cw(c-37.491,19.233) v3(-34.951,19.233) ; v3(-34.951,19.233) cw(c-34.951,18.383) -34.1,18.383 ; v3(-34.951,19.233) cw(c-34.951,18.383) -34.1,18.383 ; -34.1,16.946 ccw(c-32.543,16.946) -33.644,15.844 ; -34.1,16.946 ccw(c-32.543,16.946) -33.644,15.844 ; -34.1,16.946 -34.1,18.383 ; -33.644,15.844 cw(c-34.746,14.743) -33.188,14.743 ; -33.644,15.844 cw(c-34.746,14.743) -33.188,14.743 ; -33.25,13.06 ccw(c-34.227,13.414) v1(-33.188,13.414) ; -33.25,13.06 ccw(c-34.227,13.414) v1(-33.188,13.414) ; v1(-33.188,13.414) -33.188,14.743
pads on no net: CON302.0 CON302.6 D401. D402. D403. D404. FID1.0 FID2.0 FID3.0 FID4.0 S201. S202. S203. S204. S205. S206. S207. S208. S209. S210. S211. S212. S213. S214. S215. S216. S217. S218. S219. S220. S221. S222. S223. S224. S225. S226. S227. S228. S228_2. S229. S229_1_ALPS. S230. S231. S232. S233. S234. S235. S236. S237. S238. S239. S240. S241. S242. S242_1_ALPS. S243. S244. S245. S246. S247. S248. S249. S250. S251. S252. S253. S254. S256. S257. S258. S259. S260. S262. S262_1. S262_2. S264. S265. S266. S269. S270. S271. S272. S273. S274. S275. S276. S277. S278. S279. STAB1.
copper on no net: | length 0.8
  Component Side w0.254: -211.772,-30.48 -211.202,-29.91

## Polygon pours and split planes (outlines as drawn)
GND on Bottom Layer "Component Side-No Net" (hatched 45Degree grid 1.397 track 0.203, remove dead copper, pour order 0): 53.505,53.086 53.505,-42.957 -275.114,-42.57 -275.114,52.73
GND on Component Side "Component Side-No Net" (hatched 45Degree grid 1.397 track 0.203, remove dead copper, pour order 1): 53.505,53.086 53.505,-42.957 -275.113,-42.57 -275.113,52.73

## Other copper
Component Side:
  region net GND: 1746 vertices and 2 holes, not listed, extent -107.886,-35.415 -101.974,-29.276

## Silkscreen, mask and mechanical layers (free items; w line width, h text height)
Top Overlay:
  text "Waffling: adj. or verb - indecisive; unable to make up one's mind; playing the safe middle ground due to one's own lack of conviction or sense of morality." at -233.833,-2.484 h2.9
  text "Waffling60   -D1" at -141.613,-40.744 h3
  text "60XT" at -127.563,-41.29 h2.16
Bottom Overlay:
  circle w0.4: c-3.677,-36.12 r0.75
  circle w0.4: c-27.464,-36.989 r0.75
  circle w0.4: c-51.46,-37.028 r0.75
  circle w0.4: c-132.423,-37.028 r0.75
  circle w0.4: c-261.01,-37.028 r0.75
  circle w0.4: c-237.014,-36.989 r0.75
  circle w0.4: c-213.385,-37.028 r0.75
  circle w0.4: c-35.401,-22.352 r0.75
  circle w0.4: c-54.451,-22.352 r0.75
  lines w0.2: -230.023,-24.582 -203.861,-24.582 ; -224.136,-21.844 -221.768,-21.844 ; -212.298,-21.844 -209.93,-21.844 ; -59.276,-25.09 -31.276,-25.09 ; -51.924,-22.352 -49.556,-22.352 ; -40.086,-22.352 -37.718,-22.352 ; -224.843,-21.844 -224.136,-21.137 -224.136,-22.551 -224.843,-21.844 ; -209.93,-22.551 -209.223,-21.844 -209.93,-21.137 -209.93,-22.551 ; -52.631,-22.352 -51.924,-23.059 -51.924,-21.645 -52.631,-22.352 ; -37.718,-23.059 -37.718,-21.645 -37.011,-22.352 -37.718,-23.059
  text "< 10U" at -199.143,-22.169 h1.52 r270
  text "< 7U" at -189.745,-22.169 h1.52 r270
  text "< 6.25U" at -170.949,-22.169 h1.52 r270
  text "< 7U" at -75.445,-22.169 h1.52 r270
  text "< 10U" at -65.92,-22.169 h1.52 r270
  text "< 6.25U" at -70.746,-22.296 h1.52 r270
  text "x" at -227.464,-22.531 h1.75
  text "x" at -207.906,-22.531 h1.75
  text "X shows 6.25U space with 1.25U mods" at -204.369,-24.078 h0.75
  text "Circles shows Tsangan layout, 7U space" at -31.522,-24.586 h0.75
  text "x" at -1.626,-36.736 h1.75
  text "x" at -239.725,-37.605 h1.75
  text "x" at -25.413,-37.605 h1.75
  text "x" at -263.722,-37.644 h1.75
  text "x" at -216.097,-37.644 h1.75
  text "x" at -192.285,-37.644 h1.75
  text "x" at -120.847,-37.644 h1.75
  text "x" at -49.409,-37.644 h1.75
Top Solder:
  drawing of 2 lines, arcs and shapes, not listed
outline:
  the board outline again, w0.013
Mechanical 2:
  circle w0.013: c1.111,43.18 r1.994
  lines w0.013: -222.726,-5.239 cw(c-222.726,-4.445) -222.726,-3.651 -32.226,-3.651 cw(c-32.226,-4.445) -32.226,-5.239 -222.726,-5.239 ; -181.172,-34.143 cw(c-181.172,-32.893) -181.172,-31.643 -178.672,-31.643 cw(c-178.672,-32.893) -178.672,-34.143 -181.172,-34.143 ; -119.201,3.83 cw(c-119.201,5.08) -119.201,6.33 -116.701,6.33 cw(c-116.701,5.08) -116.701,3.83 -119.201,3.83 ; -16.776,22.88 cw(c-16.776,24.13) -16.776,25.38 -14.276,25.38 cw(c-14.276,24.13) -14.276,22.88 -16.776,22.88
  lines w0.1: -91.942,-42.031 cw(c-88.827,-42.955) -88.826,-39.706 -88.572,-39.706 ccw(c-88.57,-38.982) -88.059,-39.494 cw(c-85.614,-42.076) -82.114,-41.449 ccw(c-81.544,-41.45) -81.543,-42.02 -44.885,-42.02 ccw(c-44.885,-41.463) -44.329,-41.464 cw(c-39.37,-42.234) -34.411,-41.464 ccw(c-33.854,-41.463) -33.855,-42.02 -12.511,-42.02 ccw(c-12.51,-41.45) -11.94,-41.449 cw(c-8.44,-42.075) -5.973,-39.515 ccw(c-5.538,-39.08) -5.539,-39.695 -1.964,-39.695 cw(c-1.963,-42.944) 1.152,-42.02 8.111,-42.02 ccw(c8.111,-40.019) 10.111,-40.02 10.111,-5.692 cw(c10.021,-4.445) 10.021,-5.695 6.021,-5.695 cw(c6.021,-4.445) 6.021,-3.195 10.021,-3.195 cw(c10.021,-4.445) 10.111,-3.198 10.111,-3.02 10.111,50.18 ccw(c8.111,50.179) 8.111,52.18 3.152,52.18 cw(c0.036,53.106) -3.08,52.18 -23.419,52.18 ccw(c-23.42,51.61) -23.99,51.609 cw(c-27.49,52.236) -30.99,51.609 ccw(c-31.56,51.61) -31.561,52.18 -40.984,52.18 ccw(c-40.985,51.61) -41.555,51.609 cw(c-46.514,52.38) -51.473,51.609 ccw(c-52.043,51.61) -52.044,52.18 -81.543,52.18 ccw(c-81.544,51.61) -82.114,51.609 cw(c-85.614,52.236) -88.024,49.621 ccw(c-88.589,49.055) -88.588,49.855 -88.814,49.855 cw(c-88.815,53.104) -91.93,52.18 -172.548,52.18 cw(c-175.663,53.104) -175.664,49.855 -175.918,49.855 ccw(c-175.919,49.131) -176.431,49.643 cw(c-178.864,52.236) -182.364,51.609 ccw(c-182.934,51.61) -182.935,52.18 -212.434,52.18 ccw(c-212.435,51.61) -213.005,51.609 cw(c-217.964,52.38) -222.923,51.609 ccw(c-223.493,51.61) -223.494,52.18 -232.917,52.18 ccw(c-232.918,51.61) -233.488,51.609 cw(c-236.988,52.236) -240.488,51.609 ccw(c-241.058,51.61) -241.059,52.18 -259.398,52.18 cw(c-262.514,53.106) -265.63,52.18 -272.589,52.18 ccw(c-272.588,50.179) -274.589,50.18 -274.589,-3.02 -274.589,-3.198 cw(c-274.498,-4.445) -274.498,-3.195 -270.498,-3.195 cw(c-270.498,-4.445) -270.498,-5.695 -274.498,-5.695 cw(c-274.498,-4.445) -274.589,-5.692 -274.589,-40.02 ccw(c-272.588,-40.019) -272.589,-42.02 -265.63,-42.02 cw(c-262.515,-42.944) -262.514,-39.695 -259.057,-39.695 ccw(c-259.058,-38.78) -258.411,-39.427 cw(c-256.039,-42.077) -252.538,-41.449 ccw(c-251.968,-41.45) -251.967,-42.02 -230.623,-42.02 ccw(c-230.623,-41.463) -230.067,-41.464 cw(c-225.108,-42.234) -220.149,-41.464 ccw(c-219.592,-41.463) -219.593,-42.02 -182.935,-42.02 ccw(c-182.934,-41.45) -182.364,-41.449 cw(c-178.864,-42.075) -176.421,-39.492 ccw(c-175.929,-38.998) -175.932,-39.695 -175.664,-39.695 cw(c-175.663,-42.944) -172.548,-42.02 -91.942,-42.02
Mechanical 13:
  lines w0.1: -13.292,52.18 -85.689,52.18 cw(c-88.839,52.915) -91.989,52.18 -172.489,52.18 cw(c-175.639,52.915) -178.789,52.18 -259.289,52.18 cw(c-262.439,52.915) -265.589,52.18 -272.589,52.18 ccw(c-272.589,50.18) -274.589,50.18 -274.589,-5.67 -274.589,-40.02 ccw(c-272.589,-40.02) -272.589,-42.02 -265.589,-42.02 cw(c-262.439,-42.754) -259.289,-42.02 -178.789,-42.02 cw(c-175.639,-42.754) -172.489,-42.02 -91.989,-42.02 cw(c-88.839,-42.754) -85.689,-42.02 -5.189,-42.02 cw(c-2.039,-42.754) 1.111,-42.02 8.111,-42.02 ccw(c8.111,-40.02) 10.111,-40.02 10.111,-5.659 10.111,50.18 ccw(c8.111,50.18) 8.111,52.18 3.111,52.18 ; -3.216,52.18 ccw(c-0.066,52.915) 3.084,52.18
Mechanical 16:
  drawing of 528 lines, arcs and shapes, not listed

## Dimensions
13.018,52.705 to -94.139,53.499 on Mechanical 2

## Text inside footprints (layer, text, board x,y; h text height)
S262: Mechanical 16 "6.25U" at -178.503,-36.62 h1.52 r270; Mechanical 16 "7U" at -198.069,-34.87 h1.52 r270